# Altium PCB SAC100001-PB-Collar.PcbDoc (part 2 of 4)
Units mm, origin at the board's own origin, x right, y up, seen from the top; angles counter-clockwise.
Board outline 131 x 101.6 mm, 4 copper layers (TOP, GND, PWR, BOT), stack 1.57 mm thick; 321 components, 246 nets, 1159 pads, 1505 vias.
Unrouted connection lines stored in the file: 2.
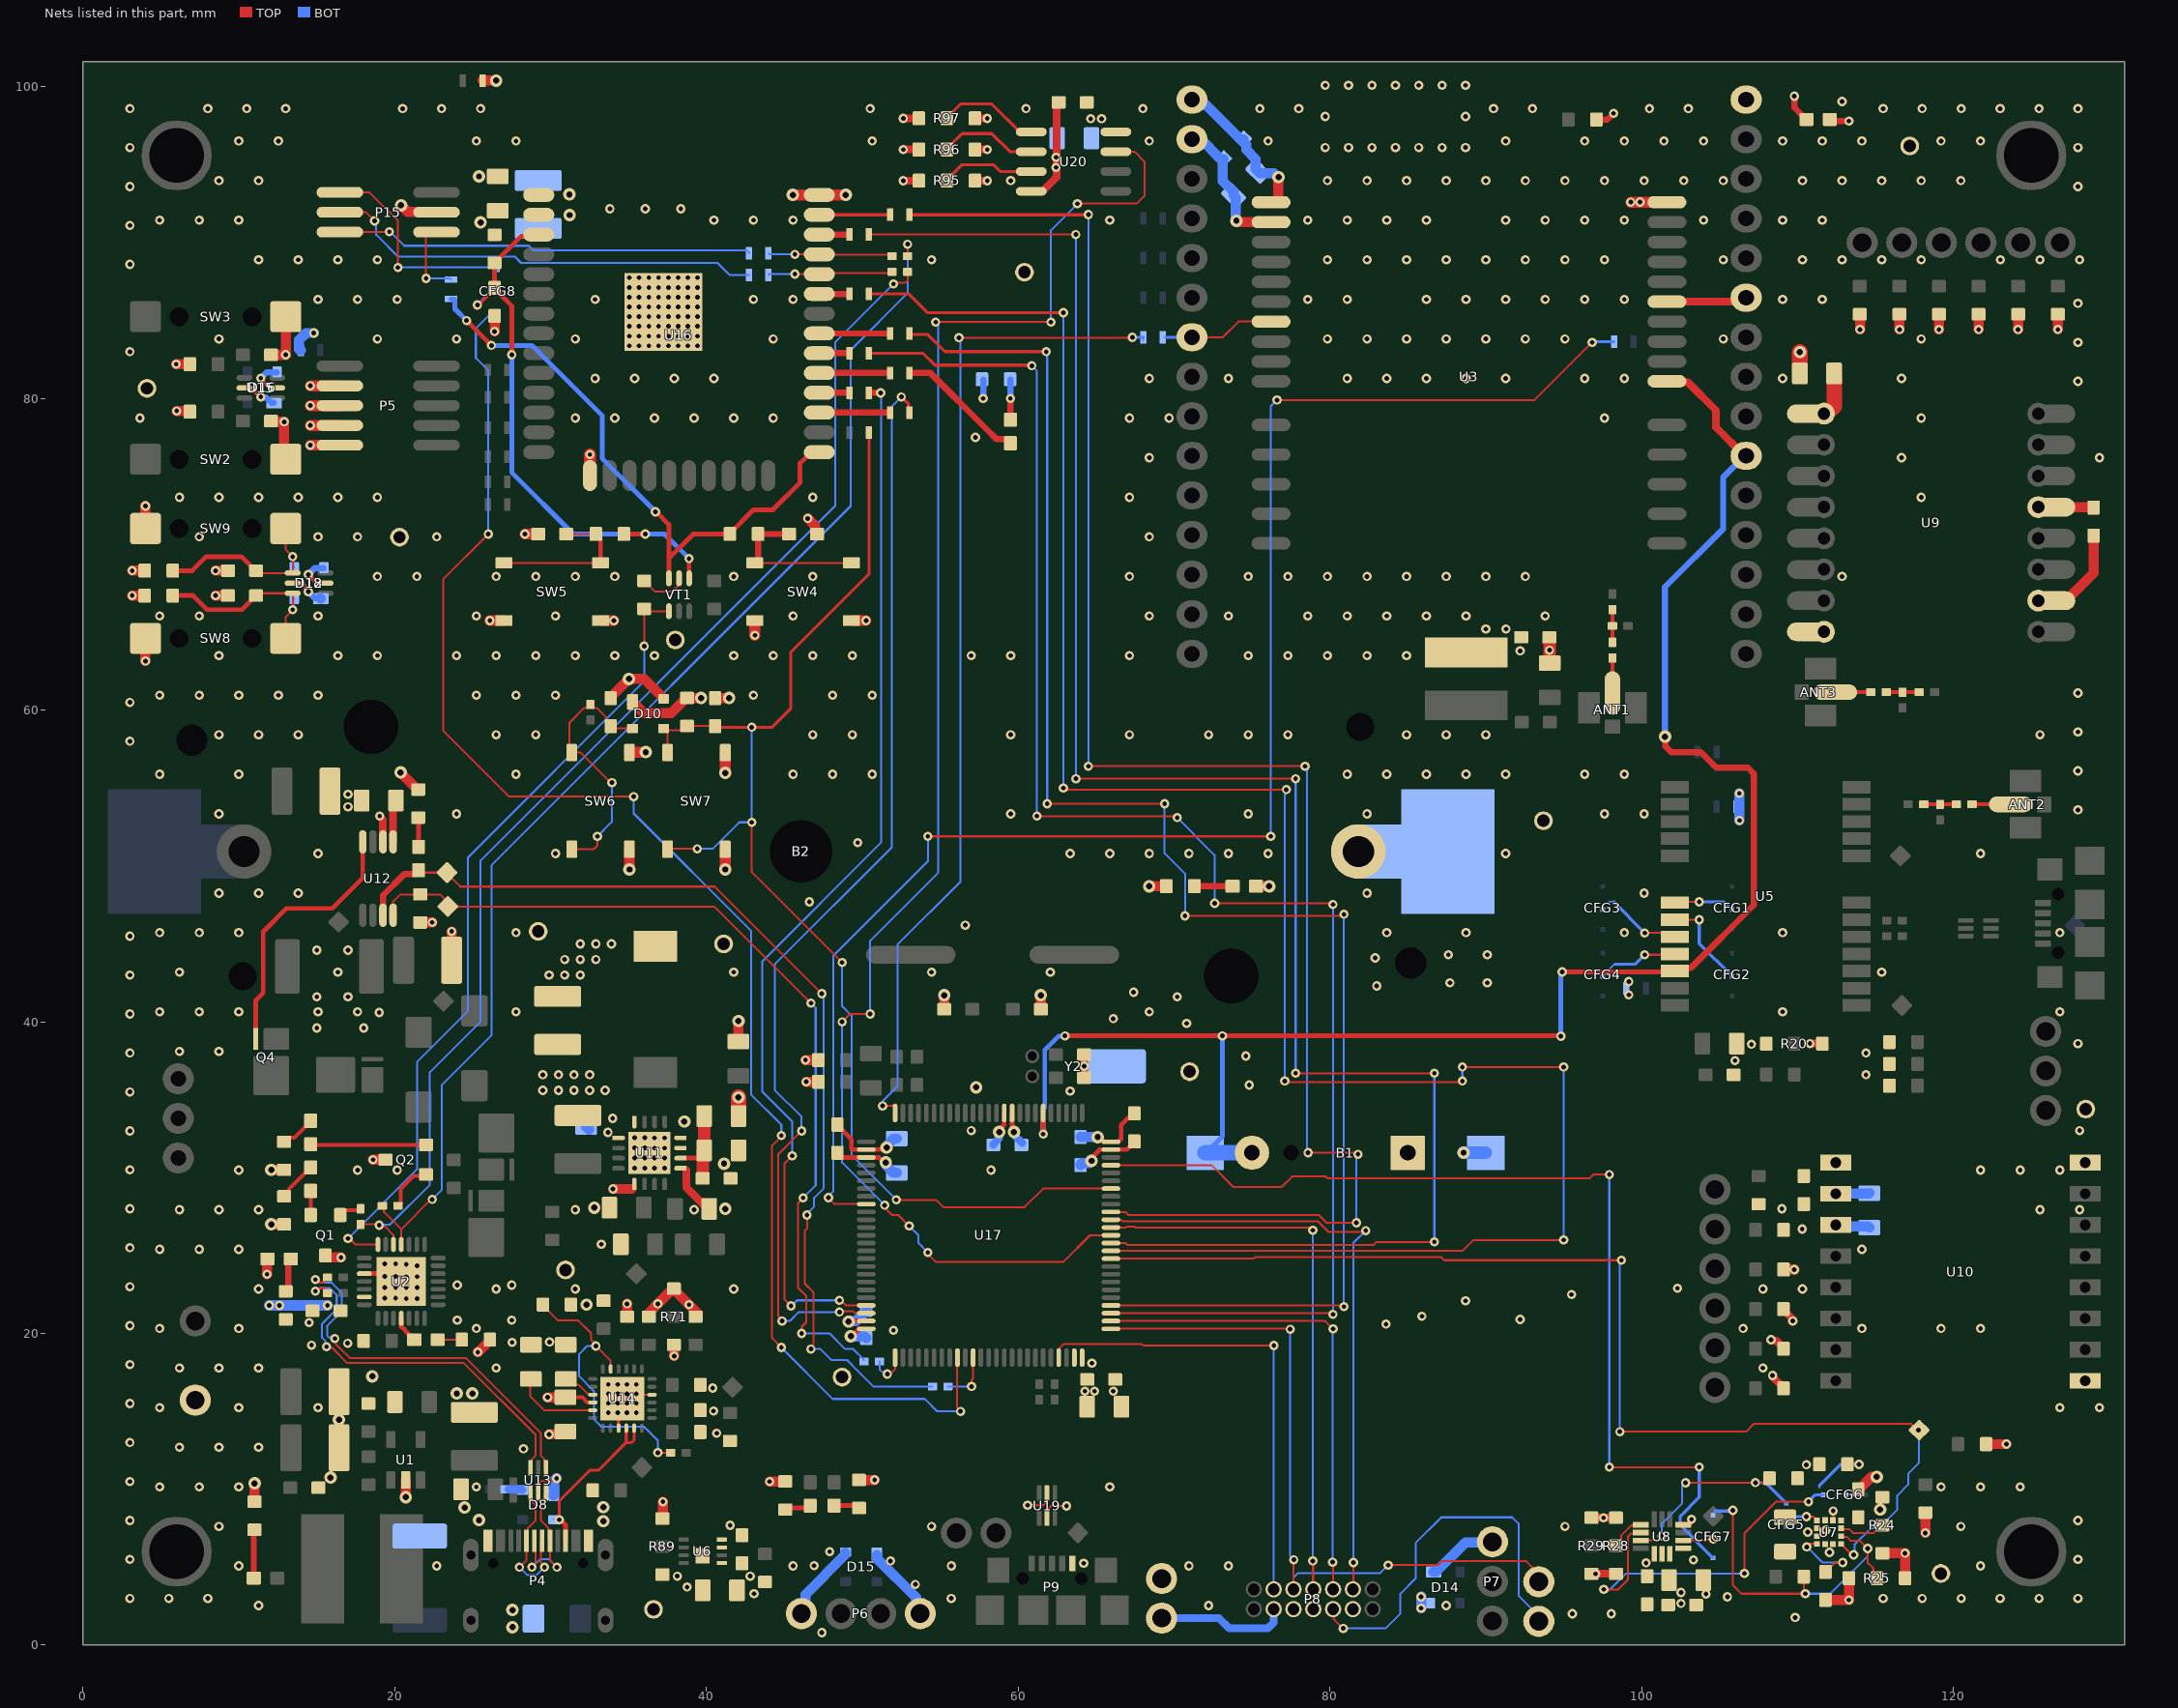
[diagram p4: the nets of this part, all layers, seen from the top]

## Via types
v1: diameter 0.6, hole 0.3, TOP to BOT, tented both sides, 1076 vias
v2: diameter 0.6/0.6 (per signal layer), hole 0.3, TOP to BOT, tented both sides, 359 vias
v3: diameter 0.8, hole 0.4, TOP to BOT, tented both sides, 70 vias

## Nets (pads, with @x,y where several pads share a name; then routed paths per layer and width w, separated by ;. In a path a pad name is that pad's centre, name@x,y a point inside that pad or via, vN(x,y) a via of type N, cw(c..) or ccw(c..) an arc to the next point about the centre after c; other vN are vias at no path point)
3V3: C8.2 C9.2 C10.2 C13.2 C14.2 C15.2 C16.2 C17.2 C18.2 C20.2 C21.2 C22.2 C23.2 C24.2 C26.2 C27.2 C30.1 C31.1 C36.1 C39.1 C40.2 C46.2 C47.2 C48.2 C49.2 C50.2 C51.2 C52.1 C63.2 C64.2 C65.2 C66.2 D4.A D10.4 D12.4 D14.4 D15.4 D16.4 D19.A J8.1 J9.2 J10.2 L2.2 L3.2 P6.1 P11.2 R20.3 R22.2 R24.1 R25.3 R26.1 R27.1 R28.1 R29.1 R30.2 R31.2 R32.2 R33.2 R34.1 R35.2 R36.1 R37.2 R38.1 R39.1 R40.1 R41.1 R42.1 R43.1 R44.1 R47.2 R49.2 R50.2 R54.1 R56.1 R61.2 R62.2 R63.2 R64.2 R65.2 R66.2 R67.2 R68.2 R71.3 R73.2 R76.2 R78.2 R82.1 R88.2 R89.1 R90.1 R91.2 R95.1 R96.1 R97.1 SW7.2 SW7.4 U3.1 U3.25 U6.5 U7.5 U7.6 U8.5 U8.8 U8.11 U9.13 U10.3 U14.22 U15.5 U16.2 U17.11 U17.28 U17.50 U17.75 U17.100 U18.5 U19.5 U20.8 | length 96.5
  TOP w0.127: U19.5@61.85,8.145 61.873,8.168 61.873,8.705 62.093,8.925 v1(63.1,8.925) ; v1(108.3,19.6) v1@108.366,19.534 ; v1@108.4,17.23 v1(108.4,17.3) ; R44.1@109.1,16.48 R44.1@109.1,16.53 ; R43.1@109.1,19.02 R43.1@109.1,19.07 ; R42.1@109.1,21.51 R42.1@109.1,21.56 ; R40.1@109.1,26.64 R40.1@109.24,26.5 ; U10.3@112.087,27.338 U10.3@112.46,26.965
  TOP w0.25: C36.1@31.05,15.9 32.025,15.9 32.35,15.575 U14.22@32.7,15.575
  TOP w0.3: v1@11.4,81.25 11.975,80.675 U15.5@12.455,80.675 ; v1(14.45,68.7) 15,68.15 U18.5@15.555,68.15 ; C51.2@48.4,31.6 48.4,31.55 48.65,31.3 49.8,31.3 U17.28@50.25,31.3 51.042,31.3 51.365,30.977 v3(51.5,30.977) ; v3(49.254,19.821) 49.321,19.821 49.8,20.3 U17.50@50.25,20.3 ; v3@58.819,33.119 59.1,33.4 U17.11@59.1,34.15 ; v3(65.1,32.6) 65.2,32.6 65.5,32.3 U17.100@65.95,32.3 66.427,32.3 66.6,32.473 66.6,33.375 67.05,33.825 C49.2@67.2,33.825
  TOP w0.35: U8.11@102.669,7.721 102.999,7.721 103.148,7.87 103.148,8.032 v1(103.195,8.08)
  TOP w0.4: D4.A@112.265,97.8 v1(113.3,97.8)
  TOP w0.5: R95.1@57.225,93.975 v1(58.009,93.975) ; R96.1@57.225,95.975 v1(58.009,95.975) ; R97.1@57.225,97.975 v1(58.009,97.975) ; C8.2@92.225,64.675 C8.2@92.275,64.675 ; R29.1@96.775,4.575 v1(97.046,4.575) R28.1@98.35,4.575 ; U3.25@101.625,86.208 U3.25@106.2,86.208 ; U3.25@106.456,86.224 U3.25@106.705,86.473 U3.25@106.805,86.473 ; v1@108.366,19.534 108.636,19.534 R43.1@109.1,19.07 ; v1@108.4,17.23 R44.1@109.1,16.53 ; R42.1@109.1,21.51 109.681,20.929 109.681,20.819 v1(109.7,20.8) ; U10.3@111.96,26.965 U10.3@112.46,26.965
  TOP w0.65: v1(3.15,67.35) R88.2@3.95,67.35 ; v1(3.15,68.95) R91.2@3.95,68.95 ; v1(5.975,82.2) R76.2@6.725,82.2 ; v1(6,79.2) R73.2@6.7,79.2 ; v3@20.425,56 v3@20.454,55.971 ; v3@20.454,55.896 21.45,54.9 R56.1@21.5,54.9 ; J10.2@25.625,100.4 v3(26.5,100.4) ; v1(29.8,15.9) C36.1@30.95,15.9 ; C52.1@33.85,60.825 v3(35.025,62) 36,62 37.225,60.775 D10.4@37.225,60.75 ; R68.2@36.3,21.075 36.3,21.325 v1(36.875,21.9) R71.3@37.775,22.8 ; R89.1@37.175,8.125 37.2,8.15 v1(37.2,9.2) ; R71.3@37.975,22.75 39.425,21.3 R66.2@39.425,21.15 ; R63.2@39.6,15.075 R63.2@39.625,15.1 ; R62.2@41.45,13.1 R62.2@41.5,13.1 ; R49.2@42.05,38.725 v3(42.05,40.05) ; v1(46.4,36.15) R82.1@47.175,36.15 ; D19.A@75.25,48.7 v3(76.1,48.7) ; U3.1@76.225,92.593 76.602,92.593 76.671,92.662 76.671,94.171 v3(76.7,94.2) ; R41.1@109.1,24.1 v1(109.8,24.1) ; C26.2@110.4,28.25 C26.2@110.4,28.3 ; C17.2@113.9,9.9 113.9,9.95 114.752,10.802 v3(115.082,10.802) ; R30.2@114,85.4 114.01,85.39 v1(114.01,84.425) ; R24.1@115.4,5.9 v1(116.9,5.9) R25.3@116.9,4.3 R25.3@116.913,4.313 ; R31.2@116.54,85.4 116.55,85.39 v1(116.55,84.425) ; v1(118.2,7.2) R54.1@118.2,8.5 ; v1(119.075,84.425) 119.075,85.395 R32.2@119.08,85.4 ; R33.2@121.62,85.4 121.625,85.395 v1(121.625,84.425) ; R90.1@122.1,12.9 v1(123.4,12.9) ; v1(124.15,84.425) 124.15,85.39 R35.2@124.16,85.4 ; U9.13@126.525,73.025 126.538,73.012 128.988,73.012 C23.2@129,73 ; R37.2@126.7,85.4 126.71,85.39 v1(126.71,84.425)
  TOP w0.7: v3(41.2,49.775) SW7.4@41.2,51.075 ; v3(41.2,55.975) SW7.2@41.2,57.275
  TOP w1: C24.2@110.15,82.2 v3(110.15,82.975)
  BOT w0.4: v1(11.4,81.3) 11.775,81.675 D16.4@12.425,81.675 ; v1(14.45,68.7) 14.875,69.125 D12.4@15.425,69.125
  BOT w0.5: C46.2@58.4,32.1 58.4,32.144 58.778,32.522 v3(58.778,32.928)
  BOT w0.65: J9.2@13.975,83.1 13.925,83.1 13.85,83.175 13.85,83.75 14.3,84.2 v1(14.8,84.2) ; P6.1@46.09,2.025 46.348,2.283 46.348,3.248 48.9,5.8 D15.4@48.9,5.95 ; v3(49.254,19.821) 49.283,19.792 50.175,19.792 50.25,19.717 C48.2@50.25,19.7 ; v3(51.5,30.977) 51.529,30.948 51.529,30.771 52,30.3 C64.2@52.2,30.3 ; C50.2@64,32.6 v3(65.1,32.6) ; U3.1@71.145,99.173 U3.1@71.556,99.173 ; U3.1@71.7,99.2 74.297,96.603 C9.2@74.403,96.603 ; C9.2@74.436,96.636 C9.2@74.403,96.603 ; C10.2@75.236,94.719 75.236,95.364 74.622,95.978 74.622,96.274 74.401,96.495 74.401,96.601 C9.2@74.403,96.603 ; C10.2@75.378,94.578 75.519,94.436 75.767,94.436 75.793,94.463 76.397,94.463 76.659,94.2 v3(76.7,94.2) ; v1(85.85,2.375) v1(85.85,3.1) ; U10.3@112.46,26.965 112.542,26.882 114.517,26.882 C27.2@114.6,26.8
  other v1: 104.125,3.275 43.05,3.3 42.8,4.425 100.282,5.276 103.325,5.475 112.05,5.95 110.575,11.575 40.65,13.6 40.45,15.025 66.1,16.3 40.392,16.492 64.724,18.099 38.875,21.85 110.3,26.7 109,28 114.4,36.6 105.992,37.508 114.4,38 107.042,38.558 99.175,41.725 99.175,42.575 29.9,43 30.9,43 31.9,43 30.9,44 31.9,44 32.9,44 31.9,45 32.9,45 33.9,45 92.2,63.8 90,65.2 91.3,65.2 64.65,97.95 65.35,97.95
  other v3: 32.3,21.85 32.8,28.075 41.125,30.9 20.375,56 25.5,91.3 31.217,91.767
3V3j: P8.3 P11.1 | length 8.8
  TOP w0.254: P11.1@69.2,1.4 P11.1@69.2,1.73
  BOT w0.5: P11.1@69.2,1.73 72.87,1.73 73.525,1.075 76.025,1.075 76.39,1.44 P8.3@76.39,2.314
BOOT0: C56.1 D10.3 J11.2 R85.2 SW7.1 SW7.3 U17.94 | length 84.9
  TOP w0.127: D10.3@37.25,58.825 37.373,58.702 D10.3@37.423,58.702 ; SW7.1@37.5,57.275 37.5,58.625 D10.3@37.423,58.702 ; SW7.3@37.576,51.151 37.727,51 37.827,51.1 v1(39.4,51.1) ; C56.1@40.625,58.9 C56.1@40.55,58.975 R85.2@38.75,58.975 38.477,58.702 D10.3@37.423,58.702 ; v1(42.9,52.8) 42.9,49.6 v1(48.7,43.8) ; v1(52.175,28.575) 54.725,28.575 55.2,28.1 60.4,28.1 61.6,29.3 U17.94@65.95,29.3
  TOP w0.2: C56.1@40.625,58.9 v1(42.9,58.9) 44.2,58.9 45.4,60.1 45.4,63.7 50.425,68.725 J11.2@50.425,77.82
  BOT w0.127: v1(39.4,51.1) 40.4,51.1 42.1,52.8 v1(42.9,52.8) v1(42.9,58.9) ; v1(48.7,43.8) 48.7,41 49.3,40.4 49.3,31.45 v1(52.175,28.575)
C_D0_N: R10.1 U13.4 | length 24.2
  TOP w0.127: v1(15.62,19.145) 15.691,19.073 15.988,19.073 16.961,18.1 24.422,18.1 29.035,13.487 29.035,12.162 28.787,11.913 28.787,11.467 U13.4@28.7,11.38
  TOP w0.16: 15.157,22.908 15.43,22.908 15.467,22.872 15.467,22.76 15.637,22.59 R10.1@15.687,22.59
  BOT w0.127: v1(14.9,22.715) 15.001,22.715 15.211,22.925 15.808,22.925 16.267,22.467 16.267,21.558 15.329,20.621 15.329,19.732 15.548,19.513 15.548,19.216 v1(15.62,19.145)
C_D0_P: R8.1 U13.6 | length 24.8
  TOP w0.127: v1(16.15,19.675) 16.221,19.604 16.221,19.307 17.098,18.43 24.559,18.43 29.365,13.624 29.365,12.162 29.614,11.913 29.614,11.467 U13.6@29.7,11.38
  TOP w0.16: 15.157,23.272 15.43,23.272 15.467,23.308 15.467,23.42 15.637,23.59 R8.1@15.687,23.59
  BOT w0.127: v1(14.9,23.465) 15.001,23.465 15.211,23.255 15.945,23.255 16.597,22.603 16.597,21.422 15.66,20.485 15.66,19.869 15.782,19.746 16.079,19.746 v1(16.15,19.675)
C_D_N: P4.A7 P4.B7 U13.3 | length 9.1
  TOP w0.127: v1(28,5) 28.45,5.45 P4.B7@28.45,6.697 28.537,6.784 28.537,7.512 29.035,8.01 29.035,8.988 28.787,9.237 28.787,9.684 U13.3@28.7,9.77 U13.3@28.687,9.757 ; P4.A7@29.365,6.613 29.365,5.311 29.6,5.076 v1(29.6,5)
  BOT w0.127: v1(28,5) 28.513,4.487 29.087,4.487 v1(29.6,5)
C_D_P: P4.A6 P4.B6 U13.1 | length 9
  TOP w0.127: v1(28.8,5) 28.8,5.076 29.035,5.311 P4.A6@29.035,6.613 ; U13.1@29.713,9.757 U13.1@29.7,9.77 29.614,9.684 29.614,9.237 29.365,8.988 29.365,8.01 29.864,7.512 P4.B6@29.864,6.784 ; P4.B6@29.95,6.697 29.95,5.45 v1(30.4,5)
  BOT w0.127: v1(28.8,5) 29.313,5.513 29.887,5.513 v1(30.4,5)
CHG_DRV: Q4.2 U12.8 | length 17.2
  TOP w0.3: Q4.2@11.075,38.9 11.075,41.375 11.55,41.85 11.55,45.775 13.05,47.275 15.975,47.275 17.941,49.241 U12.8@17.941,51.549
CHG_EN_: R57.2 R102.1 TP16.1 U12.4 | length 57.5
  TOP w0.127: U12.4@19.891,46.839 19.894,46.842 19.894,47.719 20.35,48.175 R57.2@21.625,48.175 22.9,48.175 23.375,47.7 TP16.1@23.425,47.7 ; TP16.1@23.4,47.4 40.5,47.4 v1(46.7,41.2) ; v1(46.1,20) 46.119,20.019 46.119,20.436 46.4,20.717 46.4,22.4 45.871,22.929 45.871,28.371 v1(46.2,28.7)
  BOT w0.127: v1(46.1,20) 47.9,20 48.9,19 49.407,19 R102.1@50.103,18.303 ; v1(46.2,28.7) 47.002,29.502 47.002,40.898 v1(46.7,41.2)
CHG_ENr: R102.2 U17.51 | length 2.5
  TOP w0.127: v1(51.6,17.4) 51.802,17.4 52.1,17.698 U17.51@52.1,18.45
  BOT w0.127: R102.2@51.1,18.2 51.1,17.7 51.4,17.4 v1(51.6,17.4)
CHG_STAT_: D7.A R101.2 TP15.1 U12.3 | length 65.7
  TOP w0.127: D7.A@21.525,49.725 21.675,49.575 TP15.1@23.35,49.575 ; TP15.1@23.325,49.55 24.2,48.675 40.525,48.675 v1(47.4,41.8) ; v1(46.448,27.6) 46.448,26.727 46.303,26.582 46.303,23.197 46.868,22.632 46.868,19.262 46.7,19.094 v1(46.7,19)
  TOP w0.4: U12.3@19.241,46.839 19.241,48.115 20.596,49.47 21.37,49.47 D7.A@21.475,49.575
  BOT w0.127: v1(46.448,27.6) 46.448,27.694 46.9,28.146 46.9,28.7 47.525,29.325 47.525,41.489 47.491,41.524 47.491,41.709 v1(47.4,41.8) ; v1(46.7,19) 47.3,19 48,18.3 49,18.3 49.7,17.6 50.7,16.6 R101.2@54.5,16.6
CHG_STATr: R101.1 U17.61 | length 3.4
  TOP w0.127: v1(57,16.6) 57,17 57.1,17.1 U17.61@57.1,18.45
  BOT w0.127: R101.1@55.5,16.6 v1(57,16.6)
CHG_TIM: C34.2 U12.5 | length 2.6
  TOP w0.49: C34.2@19.89,54.185 19.89,52.055 19.891,52.054 U12.5@19.891,51.549
CP_LDO: C6.2 D17.A R3.2 R4.2 R5.2 U2.6 | length 6.4
  TOP w0.127: C6.2@16.525,21.45 C6.2@16.575,21.45
  TOP w0.65: v1(11.8,23.8) 11.8,24.75 D17.A@11.825,24.775 ; v3(12.075,27.001) R4.2@12.9,27 ; v3(12.075,30.501) R3.2@12.9,30.5
  BOT w0.7: v1(11.95,21.8) v1(12.6,21.8) v1(15.675,21.8)
CPRX: R7.2 R74.1 U2.25 | length 80.5
  TOP w0.127: R7.2@19.2,28.2 19.3,28.1 19.3,27.8 20.412,26.688 ; U2.25@20.412,25.71 20.412,26.688 ; v1(22.4,28.6) 22.323,28.6 20.412,26.688 ; R74.1@52.9,89.125 v1(52.9,89.9)
  BOT w0.127: v1(22.4,28.6) 23.025,29.225 23.025,35.95 26.2,39.125 26.2,50.05 49.25,73.1 49.25,83.1 52.9,86.75 v1(52.9,89.9)
CPRXr: Q2.1 R7.1 | length 3.2
  TOP w0.127: R7.1@20.2,28.2 20.25,28.2 R7.1@20.373,28.323 ; Q2.1@21.909,30.109 Q2.1@22,30.2
  TOP w0.25: R7.1@20.373,28.323 20.373,29.273 21.209,30.109 Q2.1@21.909,30.109
CPTX: R6.1 R75.1 U2.26 | length 79
  TOP w0.127: R6.1@17.8,27 v1@19,27 ; v1(19,26.95) 19.082,26.868 19.357,26.868 19.903,26.322 19.903,25.719 U2.26@19.912,25.71 ; v1(51.994,87.35) 52.06,87.416 52.751,87.416 52.9,87.565 R75.1@52.9,88.125
  BOT w0.127: v1(19,26.95) 19.031,26.981 19.681,26.981 22.25,29.55 22.25,36.775 25.5,40.025 25.5,50.35 48.25,73.1 48.25,83.606 v1(51.994,87.35)
CPTXr: Q1.1 R6.2 | length 1
  TOP w0.25: Q1.1@16.775,27.9 R6.2@17.75,27.9
DTR: R77.1 U2.28 VT1.4 | length 52.1
  TOP w0.127: v1(17,26.1) 17.094,26.1 17.484,25.71 U2.28@18.912,25.71 ; v1(36,64.1) 36,66.45 35.95,66.5 R77.1@36,66.5 36.155,66.345 VT1.4@37.585,66.345
  BOT w0.127: v1(17,26.1) 21.425,30.525 21.425,37.425 24.7,40.7 24.7,50.55 36,61.85 v1(36,64.1)
DTRt2: R77.2 VT1.2 | length 3.2
  TOP w0.127: R77.2@36,68.3 36.05,68.3 36.323,68.027 36.323,67.977 36.7,67.6 37.8,67.6 38.215,68.015 38.215,68.435 VT1.2@38.235,68.455
E_CLK: J19.2 U17.78 | length 103.6
  TOP w0.127: v1@60.836,82.136 v1(60.872,82.1) ; v1(61.2,53.2) 70.1,53.2 v1(70.2,53.1) ; U17.78@65.95,21.3 80.119,21.3 v1(80.196,21.223) ; v1(72.6,47.6) 80.119,47.6 v1(80.196,47.523)
  TOP w0.2: J19.2@50.425,82.9 53.9,82.9 54.664,82.136 v1@60.836,82.136
  BOT w0.127: v1(60.872,82.1) 61.2,81.772 v1(61.2,53.2) ; v1(70.2,53.1) 72.6,50.7 v1(72.6,47.6) ; v1(80.196,21.223) v1(80.196,47.523)
E_CLK_: J19.1 U16.30 | length 1.9
  TOP w0.4: U16.30@47.235,82.9 J19.1@49.175,82.9
E_EN: CFG8.3 U17.59 | length 98.8
  TOP w0.127: v1(26,71.3) 23.1,68.4 23.1,58.7 27.35,54.45 v1(35.325,54.45) ; v1(44.8,19.1) 44.2,19.7 44.2,32.05 v1@44.8,32.65 ; U17.59@56.08,18.33 56.08,15.22 v1(56.3,15)
  BOT w0.127: v1(26,71.3) 26,81.8 25.2,82.6 25.2,84.5 26,85.3 ; v1(35.325,54.45) 35.325,53.375 42.85,45.85 42.85,35.35 44.8,33.4 v1(44.8,32.7) ; v1(44.8,19.1) 48.1,15.8 54,15.8 54.8,15 v1(56.3,15)
E_INTI: J22.2 U17.87 | length 121.8
  TOP w0.127: J22.2@50.425,90.52 v1(63.696,90.52) ; v1(63.706,55.6) v1(77.8,55.6) ; U17.87@65.95,25.8 66.884,25.8 67.004,25.68 82.787,25.68 82.984,25.877 v1(86.7,25.877) ; v1(77.8,36.7) v1(86.7,36.7)
  BOT w0.127: v1(63.696,90.52) 63.7,90.516 63.7,55.6 v1(63.706,55.6) ; v1(77.8,36.7) v1(77.8,55.6) ; v1(86.7,25.877) v1(86.7,36.7)
E_INTI_: J22.1 U16.36 | length 1.9
  TOP w0.4: U16.36@47.235,90.52 J22.1@49.175,90.52
E_INTO: J21.2 U17.86 | length 135.9
  TOP w0.127: v1(62.9,55) 63,54.9 v1(77.2,54.9) ; U17.86@65.95,25.3 88.5,25.3 89.2,26 v1(95,26) ; v1(77.1,36.2) 77.177,36.123 88.423,36.123 v1(88.5,36.2) ; v1(88.5,37.1) v1(95,37.1)
  TOP w0.2: J21.2@50.425,86.71 52.99,86.71 54.2,85.5 v1(62.9,85.5)
  BOT w0.127: v1(62.9,55) v1(62.9,85.5) ; v1(77.1,36.2) 77.1,54.578 77.134,54.612 77.134,54.834 v1(77.2,54.9) ; v1(88.5,36.2) v1(88.5,37.1) ; v1(95,26) v1(95,37.1)
E_INTO_: J21.1 U16.33 | length 1.9
  TOP w0.4: U16.33@47.235,86.71 J21.1@49.175,86.71
E_MISO: J20.2 U17.79 | length 104
  TOP w0.127: J20.2@53.025,84.17 J20.2@53.095,84.1 ; v1(61.859,53.991) v1(69.391,53.991) ; U17.79@65.95,21.8 80.823,21.8 v1(80.9,21.723) ; v1(70.7,46.8) 80.8,46.8 v1(80.9,46.9)
  TOP w0.2: J20.2@53.095,84.1 54.2,84.1 55.3,83 v1(61.8,83)
  BOT w0.127: v1(61.8,83) 61.859,82.941 v1(61.859,53.991) ; v1(69.391,53.991) 69.391,50.809 70.7,49.5 v1(70.7,46.8) ; v1(80.9,21.723) 80.898,21.725 80.898,46.898 v1(80.9,46.9)
E_MISO_: J20.1 U16.31 | length 4.5
  TOP w0.4: U16.31@47.235,84.17 J20.1@51.775,84.17
E_MOSI: J23.2 U17.91 | length 109.4
  TOP w0.127: v1@64.49,91.79 v1(64.5,91.8) ; v1(64.5,56.4) v1(78.4,56.4) ; U17.91@65.95,27.8 65.959,27.791 66.87,27.791 67.061,27.6 79.3,27.6 79.8,27.1 v1(81.7,27.1) ; v1(78.6,31.6) 81.7,31.6 v1(81.8,31.5)
  TOP w0.2: J23.2@53.025,91.79 v1@64.49,91.79
  BOT w0.127: v1(64.5,56.4) v1(64.5,91.8) ; v1(78.4,56.4) 78.523,56.277 78.523,31.677 v1(78.6,31.6) ; v1(81.7,27.1) 81.7,31.4 v1(81.8,31.5)
E_MOSI_: J23.1 U16.37 | length 4.5
  TOP w0.2: U16.37@47.235,91.79 J23.1@51.775,91.79
E_RX: J17.2 U17.48 | length 71.2
  TOP w0.127: v1(44.85,20.8) 44.85,20.894 44.6,21.144 44.6,31.5 v1(46.1,33) ; v1@48.293,21.373 v1(48.527,21.373) ; v1@48.581,21.438 49.397,21.438 49.526,21.309 50.241,21.309 U17.48@50.25,21.3 ; J17.2@52.952,79.163 J17.2@53.025,79.09
  TOP w0.2: v1(52.5,80.1) 52.952,79.648 J17.2@52.952,79.163
  TOP w0.4: J17.2@53.025,79.09 J17.2@53.035,79.1
  BOT w0.127: v1(44.85,20.8) 45.343,20.8 45.916,21.373 v1(48.527,21.373) ; v1(46.1,33) 46.1,33.9 44.375,35.625 44.375,43.675 51.9,51.2 51.9,79.5 v1(52.5,80.1)
E_RX_: J17.1 U16.27 | length 4.5
  TOP w0.4: U16.27@47.235,79.09 J17.1@51.775,79.09
E_RXi: J24.1 R75.2 U16.34 | length 7.1
  TOP w0.127: v1@45.719,87.98 U16.34@46.45,87.98 ; U16.34@47.308,88.052 51.827,88.052 R75.2@51.9,88.125
  BOT w0.127: J24.1@43.975,87.925 44.03,87.98 v1(45.669,87.98)
E_RXprcon: J25.2 P15.5 | length 26.9
  TOP w0.127: P15.5@16.475,90.68 16.485,90.69 19.642,90.69 v1(19.652,90.7)
  BOT w0.127: v1(19.652,90.7) 19.7,90.7 20.6,89.8 28.6,89.8 28.9,89.5 42.589,89.5 42.725,89.363 J25.2@42.725,89.325
E_TX: J18.2 U17.47 | length 68.8
  TOP w0.127: v1(45.423,21.775) 45,22.198 45,30.9 v1(45.5,31.4) ; v1(48.527,22.123) 48.621,22.123 48.944,21.8 U17.47@50.25,21.8
  TOP w0.4: J18.2@50.425,80.36 v1(51.175,80.36)
  BOT w0.127: v1(45.423,21.775) 45.444,21.796 45.477,21.796 45.806,22.125 48.35,22.125 48.352,22.123 v1(48.527,22.123) ; v1(45.5,31.4) 45.5,33.6 43.575,35.525 43.575,43.875 51.2,51.5 51.2,80.335 v1(51.175,80.36)
E_TX_: J18.1 U16.28 | length 1.9
  TOP w0.4: U16.28@47.235,80.36 J18.1@49.175,80.36
E_TXi: J25.1 R74.2 U16.35 | length 7.1
  TOP w0.127: v1@45.719,89.25 U16.35@46.45,89.25 ; U16.35@47.26,89.225 51.8,89.225 R74.2@51.9,89.125
  BOT w0.127: J25.1@43.975,89.325 44.05,89.25 v1(45.669,89.25)
E_TXprcon: J24.2 P15.3 | length 28.4
  TOP w0.127: P15.3@16.475,91.95 18.15,91.95 v1(18.7,91.4)
  BOT w0.127: v1(18.7,91.4) 18.8,91.3 18.8,90.5 20.2,89.1 27.7,89.1 28.1,88.7 40.7,88.7 41.475,87.925 J24.2@42.725,87.925
EN: C43.2 CFG8.2 R78.1 R80.2 U16.3 VT1.1 | length 36.9
  TOP w0.127: v1(25.3,86) 25.35,86 v1@25.5,86.15 ; C43.2@26.4,87.05 C43.2@26.4,87.1 ; 27.4,86.05 27.5,85.95 ; U16.3@29.142,90.427 U16.3@29.235,90.52 ; v1@35.95,71.3 v1(36.075,71.3) ; VT1.1@38.875,68.465 VT1.1@38.885,68.455
  TOP w0.2: v1@25.5,86.15 C43.2@26.4,87.05
  TOP w0.3: C43.2@26.4,87.05 27.4,86.05 ; C43.2@26.4,87.1 R78.1@26.4,88.7 ; R78.1@26.5,88.8 28.116,90.416 29.131,90.416 U16.3@29.142,90.427 ; v1(27.5,82.8) 27.5,85.95 ; R80.2@34.7,71.3 v1@35.95,71.3 ; VT1.1@38.875,68.465 v1(38.875,69.725)
  BOT w0.127: 26.275,86.975 CFG8.2@26.6,86.975
  BOT w0.2: v1(25.3,86) 26.275,86.975
  BOT w0.3: v1(27.5,82.8) 27.5,75.25 31.45,71.3 v1(36.075,71.3) 37.3,71.3 v1(38.875,69.725)
EN_: C45.2 R80.1 SW5.2 SW5.4 | length 10.1
  TOP w0.127: SW5.2@27,69.45 SW5.4@33.2,69.45 ; C45.2@31,71.3 R80.1@32.9,71.3 32.9,71.25 R80.1@33.2,70.95
  TOP w0.3: SW5.4@33.2,69.45 R80.1@33.2,70.95
EN_PROG: CFG8.1 P15.1 | length 14
  TOP w0.127: P15.1@16.475,93.22 18.38,93.22 20.2,91.4 v1(20.2,88.4)
  BOT w0.127: v1(20.2,88.4) 20.213,88.413 26.437,88.413 CFG8.1@26.6,88.25
espLED: D9.A J12.2 | length 8.4
  TOP w0.4: J12.2@53.025,81.63 54.37,81.63 57.95,78.05 58.62,77.38 59.285,77.38 59.5,77.165 D9.A@59.5,77.125
espLED_: J12.1 U16.29 | length 4.5
  TOP w0.4: U16.29@47.235,81.63 J12.1@51.775,81.63
EVf1: C59.1 D12.2 R88.1 SW8.2 U18.3 | length 12.2
  TOP w0.127: C59.1@11.15,67.5 U18.3@13.445,67.5 13.45,67.495 v1(13.45,66.45) 13.45,66.431 13,65.981 SW8.2@13,64.6
  TOP w0.3: R88.1@5.8,67.35 7.05,67.35 7.95,66.45 10.2,66.45 C59.1@11.1,67.35
  BOT w0.127: v1(13.45,66.45) 13.5,66.5 13.5,67.1 D12.2@13.55,67.15
EVf2: C62.1 D12.3 R91.1 SW9.2 U18.1 | length 12.2
  TOP w0.127: C62.1@11.05,68.95 C62.1@11.1,68.95 ; C62.1@11.15,68.8 U18.1@13.445,68.8 13.447,68.803 13.447,69.848 v1(13.45,69.85) 13,70.3 SW9.2@13,71.65
  TOP w0.3: R91.1@5.75,68.95 7,68.95 7.9,69.85 10.15,69.85 C62.1@11.05,68.95
  BOT w0.127: v1(13.45,69.85) 13.5,69.8 13.5,69.2 D12.3@13.55,69.15
FB_MAIN_DC: C30.2 R47.1 R51.2 U11.10 | length 4.9
  TOP w0.3: U11.10@38.7,31.25 R47.1@39.744,31.25
  TOP w0.8: C30.2@39.75,30.05 R47.1@39.75,31.75 ; R47.1@39.85,31.75 R51.2@39.85,33.95
GND: B1.NEG B2.NEG C1.2 C2.1 C3.2 C4.2 C5.1 C6.1 C8.1 C9.1 C10.1 C15.1 C16.1 C17.1 C18.1 C19.2 C20.1 C21.1 C22.1 C23.1 C24.1 C26.1 C27.1 C28.2 C29.1 C31.2 C32.2 C33.2 C34.1 C35.1 C36.2 C37.1 C38.1 C39.2 C40.1 C41.2 C42.2 C43.1 C44.1 C45.1 C46.1 C47.1 C48.1 C49.1 C50.1 C51.1 C56.2 C57.1 C58.1 C59.2 C60.1 C61.1 C62.2 C63.1 C64.1 C65.1 C66.1 C67.1 C68.1 D8.1 D10.1 D12.1 D14.1 D15.1 D16.1 J1.2 P4.A1-B12 P4.A12-B1 P5.3 P5.5 P5.7 P5.9 P6.4 P7.3 P8.5 P8.7 P8.11 P9.5 P10.2 P15.4 Q1.3 Q2.3 R2.1 R9.1 R11.2 R19.2 R20.1 R24.3 R25.1 R28.3 R29.3 R51.1 R52.1 R57.1 R69.1 R70.1 R71.1 R72.2 R84.1 R85.1 R89.3 R92.1 R93.1 R94.2 R95.3 R96.3 R97.3 R99.1 R100.1 SW2.1 SW3.1 SW4.1 SW4.3 SW5.1 SW5.3 SW6.1 SW6.3 SW8.1 SW9.1 TP6.1 TP7.1 TP8.1 TP9.1 TP10.1 TP11.1 TP14.1 TP17.1 TP18.1 TP19.1 TP20.1 TP24.1 TP26.1 TP27.1 U1.2 U2.3 U2.29 U3.2 U3.30 U6.7 U6.8 U6.PAD U7.2 U7.3 U7.10 U7.12 U8.6 U8.7 U9.1 U9.8 U9.10 U10.1 U10.2 U10.9 U10.16 U11.1 U11.5 U11.9 U11.11 U11.12 U11.16 U11.PAD U12.6 U13.2 U14.3 U14.10 U14.PAD U15.2 U16.1 U16.15 U16.38 U16.39 U17.10 U17.27 U17.49 U17.74 U17.99 U18.2 U19.2 U20.4 Y2.PAD | length 145.9